# Altium PCB DI544.PcbDoc (part 5 of 7) (continued)
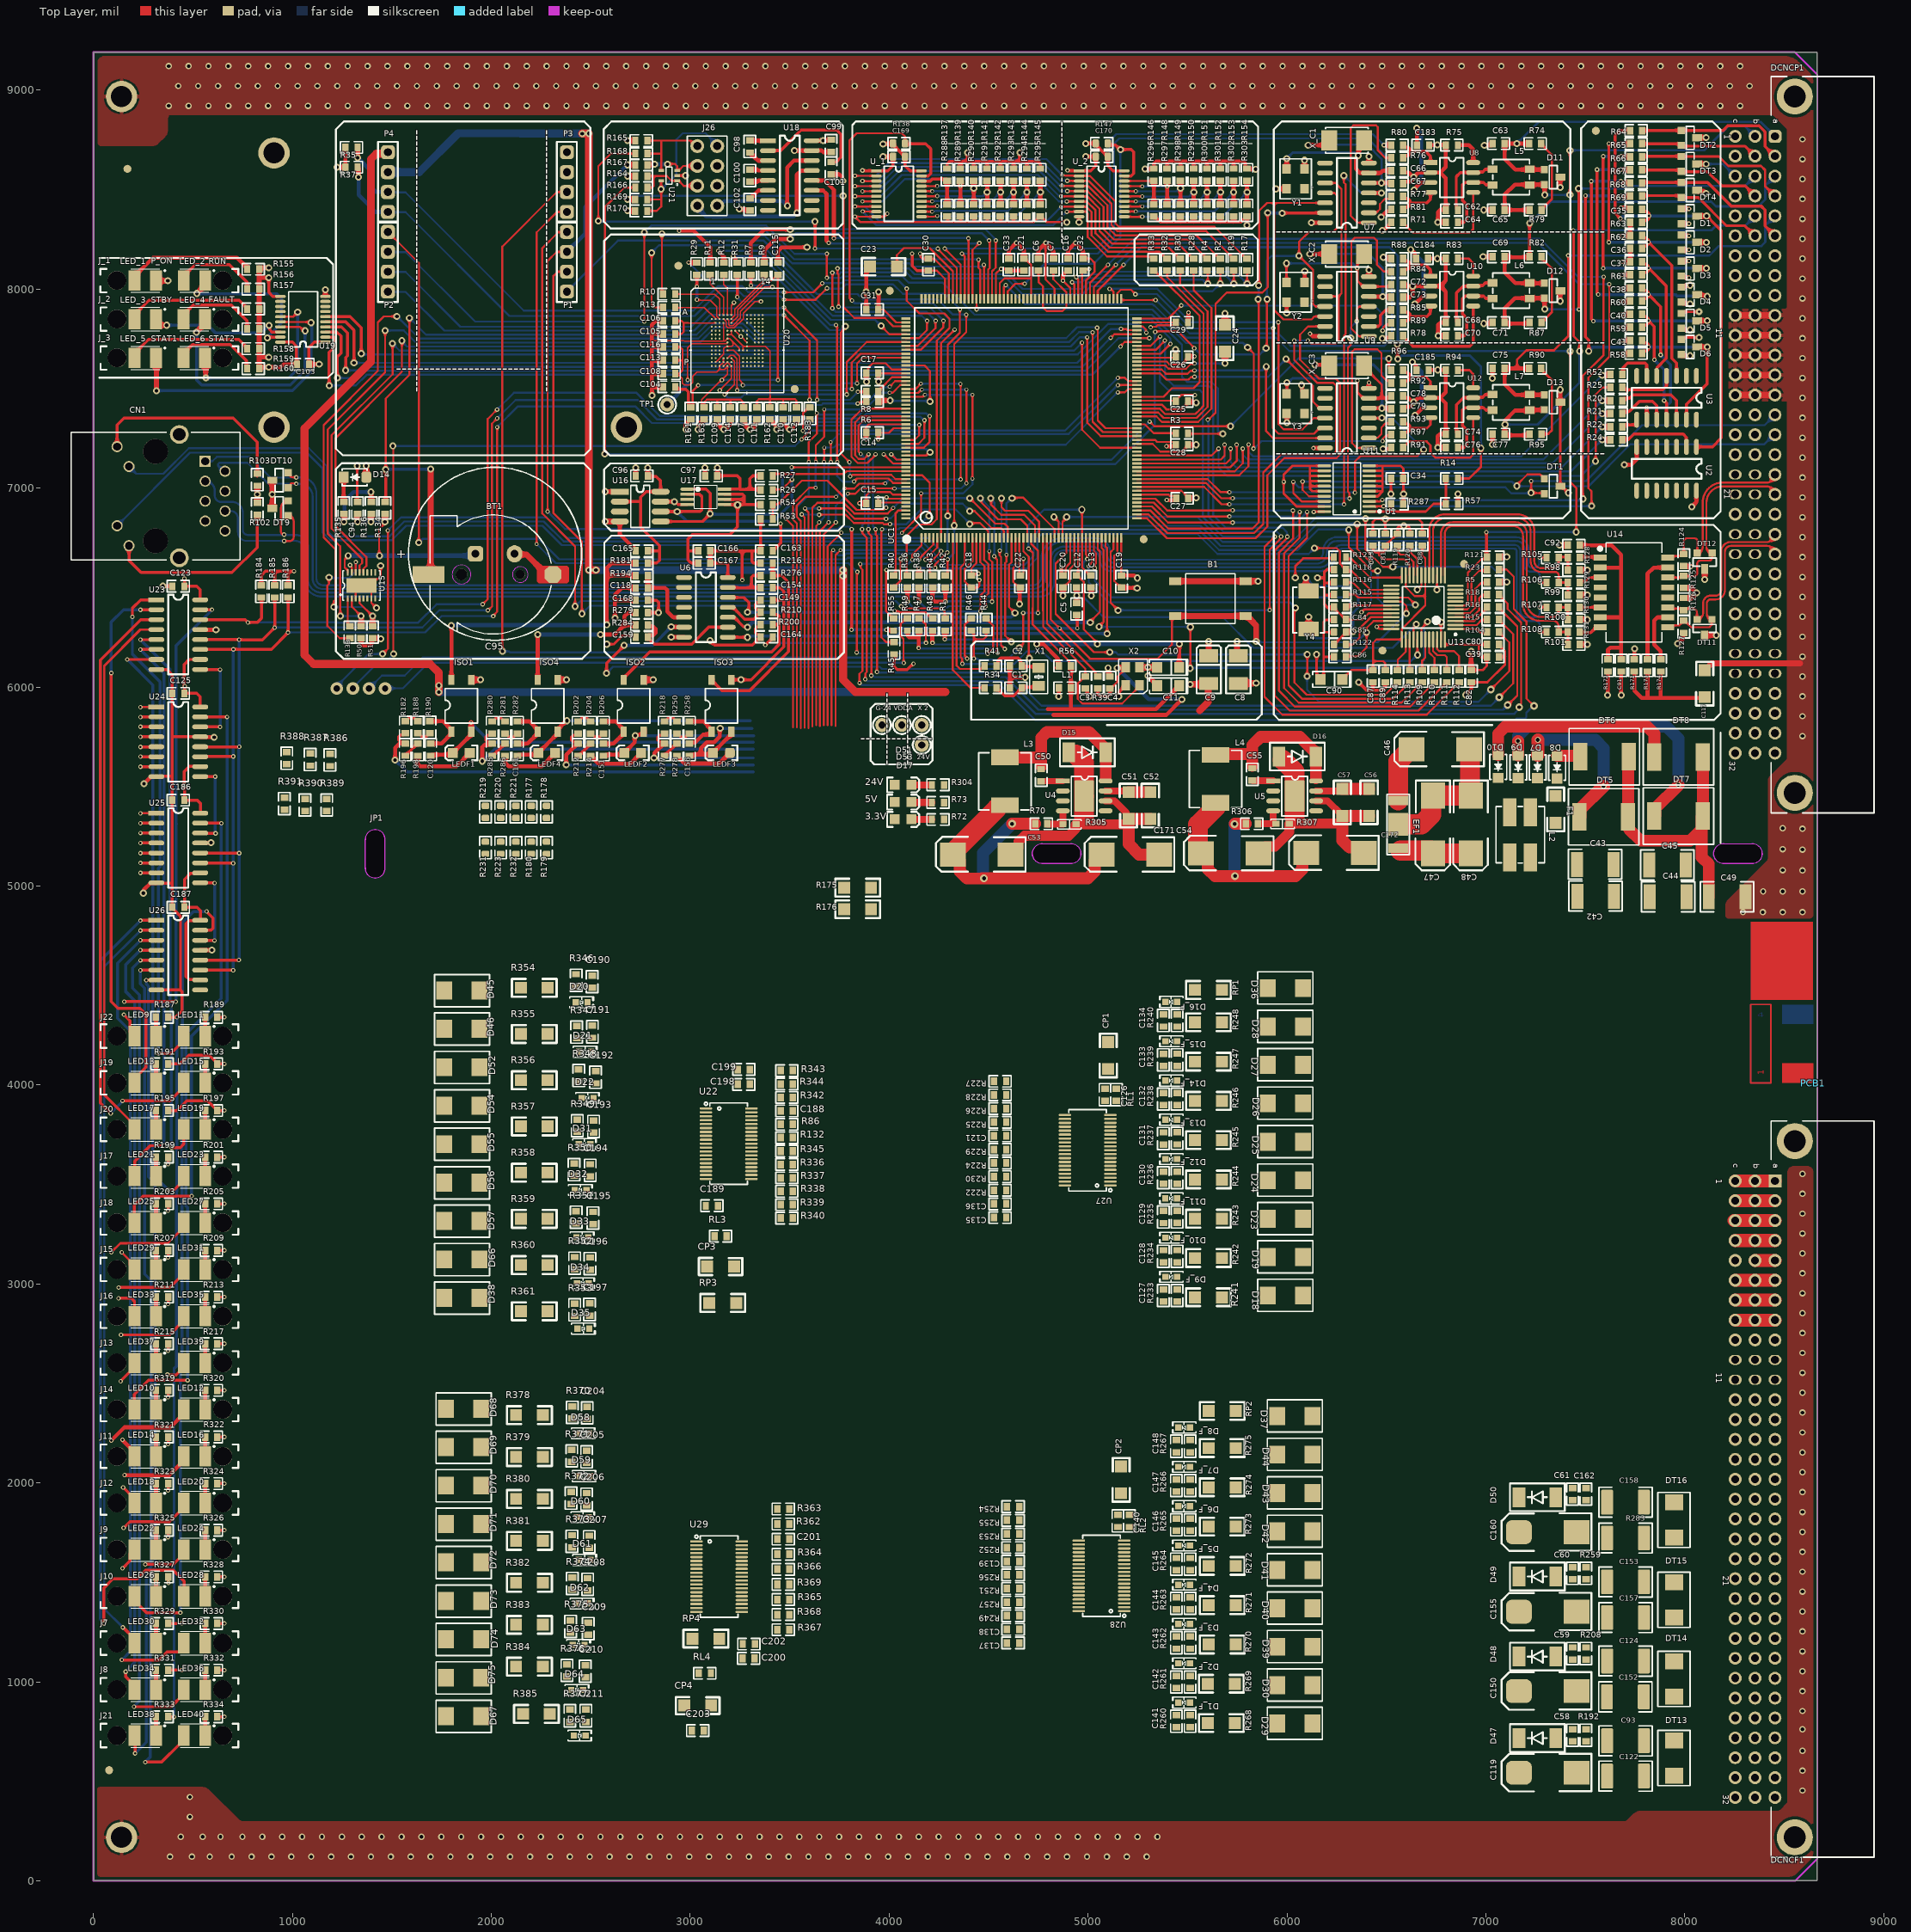
[diagram p0: Top Layer view]
## Nets (pads, with @x,y where several pads share a name; then routed paths per layer and width w, separated by ;. In a path a pad name is that pad's centre, name@x,y a point inside that pad or via, vN(x,y) a via of type N, cw(c..) or ccw(c..) an arc to the next point about the centre after c; other vN are vias at no path point) (continued)
  Top Layer w20: R167.2@2787.31,8626.97 v3@2822.83,8626.97
  Bottom Layer w10: v3@2822.83,8626.97 v3@2824.31,8628.45 ; v3@2885.35,8628.45 v3@2886.83,8629.92
  Bottom Layer w20: v3@2824.31,8628.45 v3@2885.35,8628.45
  other v3: 2820.87,8627.95 2886.83,8627.95
NetJ26_5: J26.5 R164.1 R166.2 U21.1 | length 357
  Top Layer w10: R166.2@2784.92,8510.35 2785.39,8510.83 2809.06,8510.83 2815.95,8517.72 2815.95,8568.8 ; R164.1@2784.92,8567.47 2786.25,8568.8 2815.95,8568.8 ; J26.5@3035.83,8519.69 2967.52,8519.69 2941.93,8545.28 U21.1@2935.04,8545.28 2906.5,8545.28 2882.98,8568.8 2815.95,8568.8
NetJ26_7: J26.7 U18.13 | length 811.3
  Top Layer w20: v3(3536.42,8382.87) 3536.42,8574.8 3558.13,8596.51 U18.13@3611.19,8596.51
  Bottom Layer w20: J26.7@3035.83,8419.69 3035.83,8409.06 3079.72,8365.16 3112.57,8365.16 3113.05,8364.69 3158.61,8364.69 3159.08,8365.16 3517.2,8365.16 3533.84,8381.79 v3@3535.33,8381.79
NetJ26_8: J26.8 U18.14 | length 704.8
  Top Layer w20: v3(3489.17,8419.29) 3487.2,8421.26 3487.2,8612.2 3521.51,8646.51 U18.14@3611.19,8646.51
  Bottom Layer w20: J26.8@3135.83,8419.69 3149.12,8419.69 3172.54,8443.11 3465.35,8443.11 v3(3489.17,8419.29)
NetLED9_K: LED9.K R187.1 | length 94.1
  Top Layer w20: LED9.K@314.58,4246.19 R187.1@314.58,4340.33
NetLED10_K: LED10.K R319.1 | length 95.9
  Top Layer w20: LED10.K@314.58,2369.19 R319.1@314.58,2465.08
NetLED11_K: LED11.K R189.1 | length 94.7
  Top Layer w20: R189.1@562.41,4340.52 562.61,4340.33 562.61,4246.19 LED11.K@562.8,4246
NetLED12_K: LED12.K R320.1 | length 96.4
  Top Layer w20: R320.1@562.41,2465.28 562.61,2465.08 562.61,2369.19 LED12.K@562.8,2369
NetLED13_K: LED13.K R191.1 | length 94.7
  Top Layer w20: LED13.K@314.58,4011.19 R191.1@314.58,4105.92
NetLED14_K: LED14.K R321.1 | length 96.5
  Top Layer w20: LED14.K@314.58,2134.19 R321.1@314.58,2230.68
NetLED15_K: LED15.K R193.1 | length 95.3
  Top Layer w20: R193.1@562.41,4106.11 562.61,4105.92 562.61,4011.19 LED15.K@562.8,4011
NetLED16_K: LED16.K R322.1 | length 97
  Top Layer w20: R322.1@562.41,2230.87 562.61,2230.68 562.61,2134.19 LED16.K@562.8,2134
NetLED17_K: LED17.K R195.1 | length 94.3
  Top Layer w20: LED17.K@314.58,3777.19 R195.1@314.58,3871.52
NetLED18_K: LED18.K R323.1 | length 97.1
  Top Layer w20: LED18.K@314.58,1899.19 R323.1@314.58,1996.27
NetLED19_K: LED19.K R197.1 | length 94.9
  Top Layer w20: R197.1@562.41,3871.71 562.61,3871.52 562.61,3777.19 LED19.K@562.8,3777
NetLED20_K: LED20.K R324.1 | length 97.6
  Top Layer w20: R324.1@562.41,1996.47 562.61,1996.27 562.61,1899.19 LED20.K@562.8,1899
NetLED21_K: LED21.K R199.1 | length 94.9
  Top Layer w20: LED21.K@314.58,3542.19 R199.1@314.58,3637.11
NetLED22_K: LED22.K R325.1 | length 96.7
  Top Layer w20: LED22.K@314.58,1665.19 R325.1@314.58,1761.87
NetLED23_K: LED23.K R201.1 | length 95.5
  Top Layer w20: R201.1@562.41,3637.3 562.61,3637.11 562.61,3542.19 LED23.K@562.8,3542
NetLED24_K: LED24.K R326.1 | length 97.2
  Top Layer w20: R326.1@562.41,1762.06 562.61,1761.87 562.61,1665.19 LED24.K@562.8,1665
NetLED25_K: LED25.K R203.1 | length 95.5
  Top Layer w20: LED25.K@314.58,3307.19 R203.1@314.58,3402.71
NetLED26_K: LED26.K R327.1 | length 89.3
  Top Layer w20: R327.1@314.58,1527.46 314.96,1527.08 LED26.K@314.96,1438.33
  other v1: 314.96,1497.05
NetLED27_K: LED27.K R205.1 | length 96.1
  Top Layer w20: R205.1@562.41,3402.9 562.61,3402.71 562.61,3307.19 LED27.K@562.8,3307
NetLED28_K: LED28.K R328.1 | length 97.8
  Top Layer w20: R328.1@562.41,1527.65 562.61,1527.46 562.61,1430.19 LED28.K@562.8,1430
NetLED29_K: LED29.K R207.1 | length 95.1
  Top Layer w20: LED29.K@314.58,3073.19 R207.1@314.58,3168.3
NetLED30_K: LED30.K R329.1 | length 97.9
  Top Layer w20: LED30.K@314.58,1195.19 R329.1@314.58,1293.06
NetLED31_K: LED31.K R209.1 | length 95.7
  Top Layer w20: R209.1@562.41,3168.49 562.61,3168.3 562.61,3073.19 LED31.K@562.8,3073
NetLED32_K: LED32.K R330.1 | length 98.4
  Top Layer w20: R330.1@562.41,1293.25 562.61,1293.06 562.61,1195.19 LED32.K@562.8,1195
NetLED33_K: LED33.K R211.1 | length 95.7
  Top Layer w20: LED33.K@314.58,2838.19 R211.1@314.58,2933.89
NetLED34_K: LED34.K R331.1 | length 97.5
  Top Layer w20: LED34.K@314.58,961.19 R331.1@314.58,1058.65
NetLED35_K: LED35.K R213.1 | length 96.2
  Top Layer w20: R213.1@562.41,2934.09 562.61,2933.89 562.61,2838.19 LED35.K@562.8,2838
NetLED36_K: LED36.K R332.1 | length 98
  Top Layer w20: R332.1@562.41,1058.84 562.61,1058.65 562.61,961.19 LED36.K@562.8,961
NetLED37_K: LED37.K R215.1 | length 96.3
  Top Layer w20: LED37.K@314.58,2603.19 R215.1@314.58,2699.49
NetLED38_K: LED38.K R333.1 | length 94.6
  Top Layer w20: R333.1@314.49,824.44 314.63,824.3 314.63,730.14 LED38.K@314.77,730
NetLED39_K: LED39.K R217.1 | length 96.8
  Top Layer w20: R217.1@562.41,2699.68 562.61,2699.49 562.61,2603.19 LED39.K@562.8,2603
NetLED40_K: LED40.K R334.1 | length 94.6
  Top Layer w20: R334.1@562.41,824.44 562.61,824.25 562.61,730.19 LED40.K@562.8,730
NetLED_1_A: LED_1.A R155.1 | length 648.9
  Top Layer w20: LED_1.A@206.84,8043.71 206.84,8065.37 299.47,8158 722.47,8158 763.29,8117.18 766.79,8117.18 772.79,8111.18 R155.1@772.79,8107.68
NetLED_2_A: LED_2.A R156.1 | length 429.5
  Top Layer w15: LED_2.A@453.44,8043.71 453.44,8065.37 512.08,8124 684,8124 772.79,8035.21 R156.1@772.79,8007.77
NetLED_2_K: LED_2.K U19.19 | length 814.5
  Top Layer w15: LED_2.K@561.71,8022.06 LED_2.K@561.71,8043.71 ; v3(873.79,7755) 879.2,7755 883.61,7759.41 U19.19@940,7759.41
  Top Layer w25: v3(520,7979) 520,7980.35 LED_2.K@561.71,8022.06
  Bottom Layer w15: v3(520,7979) 522,7977 923,7977 945,7955 945,7829 873.79,7757.79 v3(873.79,7755)
NetLED_3_A: LED_3.A R157.1 | length 637.6
  Top Layer w15: LED_3.A@206.84,7849.8 206.84,7871.45 279.39,7944 733.15,7944 772.79,7904.36 R157.1@772.79,7900.86
NetLED_3_K: LED_3.K U19.18 | length 697.1
  Top Layer w15: LED_3.K@315.11,7849.8 315.11,7841.03 LED_3.K@337.14,7819 ; v3@885,7818 885.96,7817.04 885.96,7797.04 897.86,7785.14 939.86,7785.14 U19.18@940,7785
  Top Layer w25: LED_3.K@337.14,7819 v3(368,7819)
  Bottom Layer w15: v3(368,7819) 575.12,7819 613.12,7781 845.87,7781 v3(882.87,7818)
NetLED_4_A: LED_4.A R158.1 | length 426.8
  Top Layer w15: LED_4.A@453.1,7849.8 453.1,7871.45 501.65,7920 693,7920 772.79,7840.21 R158.1@772.79,7807.95
NetLED_4_K: LED_4.K U19.17 | length 1242.3
  Top Layer w10: U19.17@940,7810.59 1037.64,7810.59 1057.24,7791 v3(1064,7791)
  Top Layer w15: v3(518,7783) v3@518,7784.78 ; LED_4.K@561.37,7828.15 LED_4.K@561.37,7849.8
  Top Layer w25: v3@518,7784.78 LED_4.K@561.37,7828.15
  Bottom Layer w15: v3(518,7783) 518,7544 544,7518 990,7518 1064,7592 v3(1064,7791)
NetLED_5_A: LED_5.A R159.2 | length 632.9
  Top Layer w15: LED_5.A@206.84,7654.96 206.84,7676.61 277.23,7747 730.32,7747 769.29,7708.04 R159.2@772.79,7708.04
NetLED_5_K: LED_5.K U19.16 | length 1390.1
  Top Layer w10: LED_5.K@315.11,7654.96 LED_5.K@317,7653.07 ; U19.16@940,7836.18 941.1,7835.08 1090.92,7835.08 v3(1094,7832)
  Top Layer w25: v3(317,7490) LED_5.K@317,7653.07
  Bottom Layer w15: v3(317,7490) 1001,7490 1094,7583 1094,7708.25 1099,7713.25 1099,7805.5 1097.83,7806.67 1097.83,7828.17 v3(1094,7832)
NetLED_6_A: LED_6.A R160.2 | length 424.3
  Top Layer w15: LED_6.A@453.1,7654.96 453.1,7676.61 498.49,7722 688,7722 768.67,7641.33 768.67,7612.24 R160.2@772.79,7608.13
NetLED_6_K: LED_6.K U19.15 | length 966.8
  Top Layer w10: U19.15@940,7861.77 940.61,7862.39 1005.04,7862.39 1026.57,7883.92 v3(1026.57,7884.84)
  Top Layer w15: LED_6.K@561.37,7654.96 LED_6.K@563,7653.33
  Top Layer w25: LED_6.K@563,7653.33 564.09,7652.24 564.09,7555.91 v3(566,7554)
  Bottom Layer w15: v3(566,7554) 567,7553 982,7553 1026.68,7597.68 1026.68,7816.36 1026.08,7816.95 1026.08,7884.35 v3(1026.57,7884.84)
NetLEDF1_A: LEDF1.A R198.1 | length 337.6
  Top Layer w20: R198.1@1631.53,5654.76 1627.99,5651.22 1627.99,5616.14 1641.77,5602.36 1825.24,5602.36 LEDF1.A@1892.13,5669.26
NetLEDF2_A: LEDF2.A R214.1 | length 294
  Top Layer w20: R214.1@2500.39,5654.76 2503.89,5654.76 2509.89,5648.76 2509.89,5645.26 2539.99,5615.16 2699.47,5615.16 LEDF2.A@2753.57,5669.26
NetLEDF3_A: LEDF3.A R278.1 | length 306.1
  Top Layer w20: R278.1@2933.62,5654.76 2937.12,5654.76 2943.12,5648.76 2943.12,5645.26 2972.24,5616.14 3146.6,5616.14 LEDF3.A@3199.72,5669.26
NetLEDF4_A: LEDF4.A R286.1 | length 321.7
  Top Layer w20: R286.1@2068.51,5654.76 2069.53,5653.74 2069.53,5620.48 2087.64,5602.36 2254.41,5602.36 LEDF4.A@2321.31,5669.26
NetP1_1: P1.1 R1.2 | length 3953.1
  Top Layer w10: P1.1@2380.42,8288 2378.5,8286.08 2336.28,8286.08 2256.89,8206.69 2256.89,6872.05 2421.26,6707.68 v3(2421.26,6405.51) ; v1(4060.5,6406) 4062.14,6406 4072.36,6395.78 4263.22,6395.78 4279.85,6379.15 R1.2@4279.85,6344.78
  Bottom Layer w10: v3(2421.26,6405.51) 2448.75,6433 4033.5,6433 v1(4060.5,6406)
NetP1_3: P1.3 R48.1 | length 3636.8
  Top Layer w10: P1.3@2380.42,8088 2334.06,8088 2312.99,8066.93 2312.99,6874.02 2455.71,6731.3 v3(2455.71,6369.09) ; v1(4028,6383) 4030.3,6380.7 4049.03,6380.7 4053.95,6375.78 4184.59,6375.78 4215.59,6344.78 R48.1@4216.14,6344.78
  Bottom Layer w10: v3(2455.71,6369.09) 2495.75,6409.13 4001.87,6409.13 v1(4028,6383)
NetP1_4: P1.4 R42.1 | length 3618.9
  Top Layer w10: R42.1@4294.35,6561 4294.35,6642.63 v1(4294.5,6642.78) ; v3(4327.76,6812.01) 4327.76,7723.43 4388.36,7784.03 v1(4388.36,7872.46)
  Bottom Layer w10: P1.4@2380.42,7988 2636.42,8244 3370,8244 3638.61,7975.39 3841.61,7975.39 3867.87,7949.13 4243.87,7949.13 4320.72,7872.28 4388.19,7872.28 v1(4388.36,7872.46) ; v1(4294.5,6642.78) 4295.35,6642.78 4327.76,6675.18 v3(4327.76,6812.01)
NetP2_1: P2.1 R40.2 | length 4264.7
  Top Layer w10: P2.1@1480.42,8288 1635.83,8132.59 v3(1635.83,6726.38) ; R40.2@4023.02,6500 4057.09,6534.06 4057.09,6643.59 v1(4059,6645.5)
  Bottom Layer w10: v3(1635.83,6726.38) 1636.07,6726.38 1654.18,6744.49 2238.78,6744.49 2341.27,6642 3784,6642 3792,6650 4026.09,6650 4030.58,6645.5 v1(4059,6645.5)
NetP2_2: P2.2 R3.2 | length 5713.2
  Top Layer w10: v1(2769.69,7837.6) v3(2769.69,8285.43) ; v1(3687.01,8056.92) v1(3687.01,8178) ; R3.2@5503,7276 5505.38,7273.62 v3(5678.15,7273.62)
  Bottom Layer w10: P2.2@1480.42,8188 1481.9,8186.52 1569.48,8186.52 1919,7837 v1@2769.69,7837 ; v3(2769.69,8285.43) 2803.94,8319.69 3381.96,8319.69 3524.48,8177.17 3686.17,8177.17 v1(3687.01,8178) ; v1(3687.01,8056.92) 3758.2,8056.92 3765.79,8064.51 4066.78,8064.51 4098.28,8033 4269.43,8033 4420.86,7881.57 4420.86,7881.48 4430.29,7872.05 5321.85,7872.05 5472.87,7721.03 5472.87,7559.13 5498.22,7533.78 5621.22,7533.78 5653.54,7501.46 5653.54,7286.69 5661.83,7278.41 5673.37,7278.41 v3(5678.15,7273.62)
NetP2_3: P2.3 R8.1 | length 2945.9
  Top Layer w10: v1@3474.41,7908.46 3474.41,7905.37 3637.8,7741.98 v1(3637.8,7443.9) ; v1(3843.5,7484.25) 3883.68,7484.25 R8.1@3885.43,7486
  Bottom Layer w10: P2.3@1480.42,8088 1481.9,8086.52 1569.48,8086.52 1844.4,7811.6 3005.5,7811.6 3097.8,7903.91 3469.85,7903.91 v1@3474.41,7908.46 ; v1(3637.8,7443.9) 3803.15,7443.9 v1(3843.5,7484.25)
  other v1: 3471.31,7908.46
NetP2_4: P2.4 R6.1 | length 2888.6
  Top Layer w10: v1@3473.4,7869.98 3473.4,7867.89 3600.43,7740.86 v1@3600.43,7441 ; v1(3842.48,7425.21) 3846.2,7425.21 3853.98,7433 R6.1@3885.43,7433
  Bottom Layer w10: P2.4@1480.42,7988 1481.9,7986.52 1569.48,7986.52 1764.4,7791.6 3020.6,7791.6 3100.06,7871.06 v1@3472.31,7871.06 ; v1@3600.43,7441 3603.39,7441 3626.49,7417.9 3660.62,7417.9 3667.93,7425.21 v1(3842.48,7425.21)
  other v1: 3600.43,7443.95 3471.31,7869.98
NetP3_1: P3.1 R44.1 | length 4702.3
  Top Layer w10: v4(2228.35,6719.49) 2228.35,8285.43 2331.39,8388.48 P3.1@2380.42,8388.48 ; v1(3837.19,6174.21) 3838.34,6175.37 3838.34,6576.84 v1(3840.5,6579) ; R44.1@4488.08,6344.78 4523.35,6309.51 4523.35,6196.35 4496,6169 v1(4496,6167.28)
  Bottom Layer w10: v4(2228.35,6719.49) 2324.83,6623 3795.5,6623 3839.5,6579 v1(3840.5,6579) ; v1(3837.19,6174.21) 3839.49,6171.92 3846.63,6171.92 3849.55,6169 4494.28,6169 v1(4496,6167.28)
NetP3_2: P3.2 R47.1 | length 4762.3
  Top Layer w10: v3(2057.09,6180.5) 2055.85,6181.74 2055.85,8214.31 2330.02,8488.48 P3.2@2380.42,8488.48 ; R47.1@4152.42,6344.78 4155.92,6344.78 4184.64,6316.07 4184.64,6223.83 v1(4186.02,6222.44)
  Bottom Layer w10: v3(2057.09,6180.5) 2058.37,6179.21 2089.59,6179.21 2094.59,6174.21 3400.21,6174.21 3448.44,6222.44 v1(4186.02,6222.44)
NetP4_1: P4.1 R37.2 R38.1 | length 5047.1
  Top Layer w10: v1(3471.31,7947) 3630.07,7947 v1(3687.99,8004.92) ; v1(4231.62,6598.74) 4231.62,6616.66 4292,6677.05 v1@4292,6677.19 ; v3(4295.26,6860.24) 4295.26,7720.45 4355.86,7781.05 4355.86,7898.18 v1(4356.3,7898.62)
  Top Layer w20: R37.2@1328.27,8612.89 R37.2@1332.82,8608.33 ; v1(4149.61,6599.41) 4149.61,6598.87 4150.45,6598.02 R38.1@4150.45,6561
  Top Layer w25: v3(1332.82,8563.75) R37.2@1332.82,8608.33
  Bottom Layer w10: P4.1@1480.42,8388.48 1481.9,8387 1569.48,8387 2091.32,7865.16 3022.64,7865.16 3148.62,7991.14 3242.82,7991.14 3269.4,7964.57 3454.43,7964.57 v1@3472,7947 ; v1(3687.99,8004.92) 3689.91,8003 3760.87,8003 3782.38,8024.51 4020.77,8024.51 4068.9,7976.38 4279.53,7976.38 4356.3,7899.61 v1(4356.3,7898.62) ; v1(4149.61,6599.41) 4149.94,6599.08 4231.28,6599.08 v1(4231.62,6598.74) ; v1@4292,6677.19 4294.13,6679.32 4294.13,6859.11 v3(4295.26,6860.24)
  Bottom Layer w20: v3(1332.82,8563.75) 1332.82,8473.18 1417.52,8388.48 P4.1@1480.42,8388.48
  other v1: 4292.98,6677.19
NetP4_2: P4.2 R35.2 R36.1 | length 5015.8
  Top Layer w10: R35.2@1328.27,8712.48 R35.2@1328.88,8711.87 ; v1(3471.31,7984.46) 3619.3,7984.46 v1(3664.37,8029.53) ; v1(4088.58,8002.95) 4088.58,7942.42 4153.05,7877.95 4277.56,7877.95 4303.86,7851.65 4303.86,7804.84 4240.16,7741.14 4240.16,6844.16 4213,6817 4145,6817 4088.71,6760.71 R36.1@4088.71,6561
  Top Layer w25: v3(1328.88,8661.19) R35.2@1328.88,8711.87
  Bottom Layer w10: P4.2@1480.42,8488.48 1481.9,8487 1569.48,8487 2163.76,7892.72 3016.73,7892.72 3139.02,8015 3261.58,8015 3291.17,7985.41 3470.36,7985.41 v1(3471.31,7984.46) ; v1(3664.37,8029.53) 3665.76,8030.92 3760.48,8030.92 3774.07,8044.51 4047.03,8044.51 4068.64,8022.89 v1(4088.58,8002.95)
  Bottom Layer w20: v3(1328.88,8661.19) 1399,8591.08 1399,8510 1421,8488 1479.94,8488 P4.2@1480.42,8488.48
NetR1_1: R1.1 UC1.35 | length 1459.9
  Top Layer w10: v11(4590,6665) 4590,6630.28 4583.35,6623.63 4583.35,6259.17 v3(4615.16,6227.36) ; v3@4618.11,6951.77 4674.88,6951.77 4832.2,6794.46 ; UC1.35@4832.51,6750.34 4832.51,6794.46
  Top Layer w20: v1(4279.53,6240.32) 4279.91,6240.7 R1.1@4279.91,6283.72
  Bottom Layer w10: v1(4279.53,6240.32) 4280.97,6238.87 4596.88,6238.87 4608.39,6227.36 v3(4615.16,6227.36) ; v11(4590,6665) 4590.5,6665.5 4590.5,6924.16 v3@4618.11,6951.77
  other v3: 4618.11,6949.8
NetR2_2: R2.2 UC1.164 | length 3065.4
  Top Layer w10: v1(3715,8082.92) 3715.34,8082.58 v1@3715.34,7903.12 ; UC1.164@4084.48,7714.91 4144.04,7714.91 4232.96,7803.83 4232.96,7839.96 v1(4234,7841) ; v3(5665,8028) 5665,8092.21 R2.2@5665.5,8092.7
  Bottom Layer w10: v1(3715,8082.92) 3717.3,8080.63 3719.41,8078.51 3751.5,8078.51 3757.5,8084.51 4086.4,8084.51 4115.79,8055.12 4589.57,8055.12 4669.69,7975 4974.02,7975 5014.39,8015.38 5084.91,8015.38 5097.5,8027.97 5427.03,8027.97 5465.83,7989.17 5626.17,7989.17 v3(5665,8028) ; v1@3715.73,7902.73 3715.73,7902.62 3732.36,7886 4189,7886 v1(4234,7841)
  other v1: 3714.75,7903.72
NetR3_1: R3.1 UC1.77 | length 214.8
  Top Layer w10: UC1.77@5245.9,7321.21 5286.16,7321.21 5331.36,7276 R3.1@5442,7276
NetR4_2: R4.2 UC1.165 | length 3016.3
  Top Layer w10: v1(3740.73,8104.51) 3741.12,8104.12 3741.12,8078.51 3746.12,8073.51 3746.12,7912.47 v1(3745.66,7912) ; UC1.165@4084.48,7695.22 4158.81,7695.22 4273,7809.42 v1(4273,7841) ; R4.2@5598.61,8092.7 5602,8089.31 v3(5602,8028)
  Bottom Layer w10: v1(3740.73,8104.51) 4099.49,8104.51 4128.88,8075.12 4597.85,8075.12 4671.1,8001.87 4969.39,8001.87 5002.9,8035.38 5076.62,8035.38 5089.21,8047.97 5576.01,8047.97 5595.98,8028 v3(5602,8028) ; v1(3745.66,7912) 3747.71,7909.94 3759.06,7909.94 3760.09,7908.91 4205.09,7908.91 v1(4273,7841)
NetR5_1: R5.1 UC1.37 | length 2697.4
  Top Layer w10: UC1.37@4871.88,6750.34 4871.88,6830.19 4892.72,6851.02 v3(4892.72,6855.32) ; v3@6395.67,6848.43 6394.69,6847.44 6394.69,6692.63 6482.99,6604.33 v3(6532.48,6604.33)
  Top Layer w25: R5.1@7066.27,6528.52 v3(7105.32,6528.54)
  Bottom Layer w10: v3(4892.72,6855.32) 5549.97,6855.32 5675.64,6729.65 6024.92,6729.65 6150.59,6855.32 6377.31,6855.32 6379.42,6853.21 6390.89,6853.21 v3@6395.67,6848.43 ; v3(6532.48,6604.33) 7029.53,6604.33 v3(7105.32,6528.54)
  other v3: 6395.67,6847.44
NetR5_2: R5.2 U13.5 | length 277.1
  Top Layer w10: U13.5@6847.23,6371.11 6919.33,6371.11 6947.45,6399.23 6947.45,6494.7 6976.27,6523.52 R5.2@7005.27,6523.52
NetR6_2: R6.2 UC1.169 | length 551.9
  Top Layer w10: UC1.169@4084.48,7616.48 4177.81,7616.48 4205.71,7588.58 v3(4205.71,7435.04)
  Top Layer w20: R6.2@3946.43,7433 3946.43,7434.95 R6.2@3952.43,7440.95
  Top Layer w25: R6.2@3952.43,7440.95 v3@4004.38,7440.95
  Bottom Layer w10: v3(4004.92,7440.95) 4007.22,7438.65 4202.1,7438.65 v3(4205.71,7435.04)
NetR7_1: R7.1 UC1.138 | length 1686.5
  Top Layer w10: UC1.138@4517.55,7951.13 4517.55,8089.55 4536.42,8108.42 v1(4536.42,8244.97) v1@4536.42,8246.06
  Top Layer w20: R7.1@3305,8133.4 3305,8232.17 3373.03,8300.2 v3(3502.95,8300.2)
  Bottom Layer w10: v3(3502.95,8300.2) 3504.61,8301.85 4483.92,8301.85 v1@4536.99,8248.78 ; v1@4536.42,8246.06 v1@4536.42,8248.21
NetR7_2: R7.2 U20.B5 | length 517.2
  Top Layer w5.91: U20.B5@3187.29,7850.39 3187.29,7849.28 3193.11,7843.46 3193.11,7822.76 3199,7816.87 3214.81,7816.87 3252.69,7854.75 ; 3251.91,7855.52 3252.69,7856.3 3252.69,7888.19 3375.9,8011.41 v1(3413.39,8011.41)
  Top Layer w15: R7.2@3305,8072.4 3305.34,8072.07 3305.34,8019.02 v1(3305.68,8018.68)
  Bottom Layer w10: v1(3305.68,8018.68) 3402.87,8018.68 3410.14,8011.41 v1(3413.39,8011.41)
NetR8_2: R8.2 UC1.172 | length 169.7
  Top Layer w10: R8.2@3946.43,7486 3946.43,7489.5 3957.43,7500.5 4014.36,7557.43 UC1.172@4084.48,7557.43
NetR9_1: R9.1 UC1.139 | length 1544
  Top Layer w10: UC1.139@4497.87,7951.13 4497.87,8098.15 4505.88,8106.16 4505.88,8244.12 v1@4504,8246
  Top Layer w20: R9.1@3373,8133.4 3373,8197.8 3427.17,8251.97 v3(3502.95,8251.97)
  Bottom Layer w10: v3(3502.95,8251.97) 3532.83,8281.85 4466.13,8281.85 4501.98,8246 v1@4504,8246
  other v1: 4503.02,8244.97
NetR9_2: R9.2 U20.B6 | length 290.7
  Top Layer w5.91: U20.B6@3206.97,7850.39 3225.16,7868.58 3225.16,7899.87 3350.11,8024.81 3373,8047.7 R9.2@3373,8072.4
NetR10_1: R10.1 UC1.140 | length 2159.3
  Top Layer w10: v3@2858,8269 2858,7981.42 R10.1@2864,7975.42 ; UC1.140@4478.18,7951.13 v1@4478.18,8123.41
  Bottom Layer w10: v3(2858,8278.84) 2864.76,8278.84 2875.92,8267.69 3376.02,8267.69 3513.19,8130.51 4101.77,8130.51 4118.28,8114 4465.48,8114 4473.91,8122.42 v1(4477.15,8122.42)
NetR10_2: R10.2 U20.A3 | length 313.4
  Top Layer w5.91: R10.2@2925,7975.42 3122.61,7975.39 3147.92,7950.08 U20.A3@3147.92,7870.08
NetR11_1: R11.1 UC1.141 | length 2037.5
  Top Layer w10: v1(4450,8148.21) 4450,8107.09 4458.5,8098.59 UC1.141@4458.5,7951.13
  Top Layer w20: v1(2944.1,8293.69) 2944.48,8294.07 2985.03,8294.07 2985.68,8294.72 3017.28,8294.72 3101,8211 R11.1@3101,8133.4
  Bottom Layer w10: v1(2944.1,8293.69) 2945.42,8295 3378,8295 3522.49,8150.51 4447.7,8150.51 v1(4450,8148.21)
NetR11_2: R11.2 U20.A4 | length 229.9
  Top Layer w5.91: R11.2@3101,8072.4 3101,8026 3167.6,7959.4 U20.A4@3167.6,7870.08
NetR12_1: R12.1 UC1.161 | length 1188.2
  Top Layer w10: v3(3959.65,7815.95) 4001.63,7773.96 UC1.161@4084.48,7773.96
  Top Layer w20: v1(3141,8193) 3169,8165 R12.1@3169,8133.4
  Bottom Layer w10: v1(3141,8193) 3360.41,8193 3707.41,7846 3929.59,7846 v3(3959.65,7815.95)
NetR12_2: R12.2 U20.A5 | length 209.9
  Top Layer w5.91: R12.2@3169,8072.4 3169,8023.54 3187.29,8005.25 3187.29,7960.66 U20.A5@3187.29,7870.08
NetR13_1: R13.1 UC1.162 | length 2050.2
  Top Layer w10: v3(2806,8183) 2806,7922.35 2819.55,7908.79 R13.1@2864,7908.79 ; UC1.162@4084.53,7754.23 4149.9,7754.23 4190.94,7795.28 v1@4190.94,7839.57
  Bottom Layer w10: v3(2806,8183) 2843.47,8220.47 3361.22,8220.47 3715.69,7866 4164.51,7866 v1@4190.94,7839.57
  other v1: 4190.94,7841
NetR13_2: R13.2 U20.B2 | length 226.7
  Top Layer w5.91: R13.2@2925,7907 3071.62,7907 U20.B2@3128.23,7850.39
NetR14_1: R14.1 R57.2 R287.2 U1.1 | length 564.9
  Top Layer w12: U1.1@6414.06,6882.27 6698.21,6882.27 6737.2,6921.26 R57.2@6799,6921.26 ; 6524,6882.87 R287.2@6524,6920.36 ; R57.2@6799,6922.05 R14.1@6799,7048.38
NetR14_2: R14.2 UC1.111 | length 3268.1
  Top Layer w11: UC1.111@5049.14,7951.22 5049.14,7991.91 5179.13,8121.9 v1(5179.13,8122.05)
  Top Layer w12: v3(6555.12,7722.23) 6555.12,7652.56 v3(6558.07,7649.61) ; R14.2@6860,7048.38 6916.49,7048.38 6975.39,7107.28 v3(6975.39,7200.79)
  Bottom Layer w12: v1(5179.13,8122.05) 5267.72,8210.63 6515.75,8210.63 6558.07,8168.31 v3@6558.07,7722.23 ; v3@6559.06,7649.61 6559.21,7649.61 6576.6,7667 6919.61,7667 6975.39,7611.22 v3(6975.39,7200.79)
NetR15_1: R15.1 UC1.180 | length 5413.8
  Top Layer w10: v1(3932.37,6793.92) 3932.99,6793.3 3932.99,6766.5 3939.23,6760.27 v1(3939.23,6076.24) ; v1@3936.15,7170.87 3891.59,7126.31 3842.19,7126.31 3811.13,7157.38 3811.13,7345.13 3865.95,7399.95 UC1.180@4084.48,7399.95 ; R15.1@7066.1,6337.75 7137.83,6266.02 7137.83,6018.94 v6(7067.72,5948.82)
  Bottom Layer w10: v1(3932.37,6793.92) 3919,6807.3 3919,7153.88 v1@3935.4,7170.28 ; v1(3939.23,6076.24) 3942.95,6072.52 4600.71,6072.52 4767.23,5906 7024.9,5906 v6(7067.72,5948.82)
  other v1: 3932.15,7170.28
NetR15_2: R15.2 U13.2 | length 168.6
  Top Layer w10: U13.2@6847.23,6312.05 6953.78,6312.05 6979.31,6337.58 R15.2@7005.27,6337.58
NetR16_1: R16.1 UC1.182 | length 5450
  Top Layer w10: v1(3896.54,6793.92) 3896.54,6774.72 3911.86,6759.4 3911.86,6059.62 v1(3909.95,6057.71) ; v1(3896.65,7170.28) 3896.65,7168.71 3874.94,7147 3846.95,7147 3829,7164.95 3829,7331 3858.58,7360.58 UC1.182@4084.48,7360.58 ; R16.1@7078.34,6385.06 7157.83,6305.56 7157.83,5957.44 v6(7109.84,5909.45)
  Bottom Layer w10: v1(3896.65,7170.28) 3896,7169.62 3896,6800.71 3899.54,6797.17 v1@3899.54,6793.92 ; v1(3909.95,6057.71) 3912.24,6055.42 3922.93,6055.42 3928.11,6050.24 4586.57,6050.24 4750.81,5886 7086.39,5886 v6(7109.84,5909.45)
NetR16_2: R16.2 U13.3 | length 188.2
  Top Layer w10: U13.3@6847.23,6331.74 6940.95,6331.74 7005.27,6396.06 R16.2@7005.27,6399.56
NetR17_2: R17.2 UC1.116 | length 1073.1
  Top Layer w10: v1(4940.74,8060.82) 4940.74,8057.58 4950.62,8047.7 UC1.116@4950.62,7951.13 ; R17.2@5799.28,8092.7 5800,8091.98 v3@5800,8029
  Bottom Layer w10: v1(4940.74,8060.82) 4940.89,8060.97 4966.74,8060.97 4981.15,8075.38 5060.06,8075.38 5072.65,8087.97 5740.03,8087.97 v3(5800,8028)
NetR18_1: R18.1 UC1.183 | length 5547.4
  Top Layer w10: v4(3857.31,7172) 3857.31,7172.43 3846.87,7182.86 3846.87,7315.87 3871.89,7340.89 UC1.183@4084.48,7340.89 ; v1@3865.16,6793.92 3865.16,6773.62 3888,6750.78 3888,6076 3880.91,6068.91 v1@3880.91,6041.74 ; R18.1@7066.27,6465.71 7066.27,6462.21 7109.25,6419.23 7109.25,6392.72 7177.83,6324.13 7177.83,5916.41 7168,5906.58 v6(7168,5899)
  Bottom Layer w10: v4(3857.31,7172) 3878,7151.31 3878,6827 3865.16,6814.16 v1@3865.16,6793.92 ; v1(3880.66,6039.19) 3889.62,6030.24 4572.13,6030.24 4736.36,5866 7112.97,5866 7113.06,5866.1 7143.58,5866.1 7150.65,5873.17 7150.65,5874.07 7168,5891.42 v6(7168,5899)
  other v1: 3864.16,6793.92
NetR18_2: R18.2 U13.4 | length 239.4
  Top Layer w10: U13.4@6847.23,6351.42 6931.14,6351.42 6966.54,6386.81 6966.54,6447.83 6980.13,6461.43 7005.16,6461.43 R18.2@7005.27,6461.54
NetR19_2: R19.2 UC1.117 | length 996.2
  Top Layer w10: v1(4920.18,8034.82) 4920.18,8034.72 4930.94,8023.96 UC1.117@4930.94,7951.13 ; R19.2@5732.39,8092.7 5733,8092.09 v3(5733,8028)
  Bottom Layer w10: v1(4920.18,8034.82) 4968.88,8034.82 4989.43,8055.38 5068.34,8055.38 5080.93,8067.97 5693.03,8067.97 v3(5733,8028)
NetR20_1: R20.1 UC1.65 | length 2638.2
  Top Layer w10: UC1.65@5245.9,7084.99 5246.39,7084.49 5737.49,7084.49 5778.08,7125.08 v1@5778.08,7198.87
  Top Layer w25: v3@7580,7440 R20.1@7626,7439.98
  Bottom Layer w10: v1@5778.08,7198.87 5778.08,7168.92 5802.31,7144.69 7289.69,7144.69 v3(7585,7440)
  other v1: 5778.08,7198.84
NetR21_1: R21.1 UC1.66 | length 2656.2
  Top Layer w10: UC1.66@5245.9,7104.67 5714.67,7104.67 5747.68,7137.68 v1@5747.68,7218.53 ; v3@7584,7374 v3(7585,7374) ; R21.1@7625.88,7374 R21.1@7626,7374.12
  Top Layer w25: v3(7585,7374) R21.1@7625.88,7374
  Bottom Layer w10: v1@5747.68,7218.53 5747.68,7151.32 5774.31,7124.69 7334.69,7124.69 v3@7584,7374
  other v1: 5747.68,7218.55
NetR22_1: R22.1 UC1.67 | length 2603.8
  Top Layer w10: UC1.67@5245.9,7124.36 5694.36,7124.36 5717.27,7147.27 v1(5717.27,7198.84) ; R22.1@7625.73,7308 R22.1@7626,7308.27
  Top Layer w25: v3(7585,7308) R22.1@7625.73,7308
  Bottom Layer w10: v1(5717.27,7198.84) 5717.27,7131.73 5744.31,7104.69 7381.69,7104.69 v3(7585,7308)
NetR23_1: R23.1 U13.6 | length 317.1
  Top Layer w10: U13.6@6847.23,6390.79 6906.54,6390.79 6928.15,6412.4 6928.15,6546.26 6967.39,6585.5 R23.1@7005.27,6585.5
NetR23_2: R23.2 UC1.1 | length 5301.9
  Top Layer w10: v1(3851.38,6020.67) 3851.38,6066.38 3866.5,6081.5 3866.5,6589.77 3857.3,6598.97 3857.3,6616.7 v1(3855,6619) ; v1(4117.13,6639.76) 4117.13,6666.13 4163.22,6712.22 UC1.1@4163.22,6750.34 ; R23.2@7066.27,6591.34 7104.53,6591.34 7140.75,6555.12 7140.75,6392.72 7204,6329.47 7204,5943 v6(7242,5905)
  Bottom Layer w10: v1(3851.38,6020.67) 3852.8,6020.67 3863.24,6010.24 4558.66,6010.24 4734.9,5834 7146.43,5834 7154.43,5842 7197.59,5842 7203.72,5848.13 7203.72,5870.72 7238,5905 v6(7242,5905) ; v1(3855,6619) 3855.5,6619.5 4096.87,6619.5 v1(4117.13,6639.76)
NetR24_1: R24.1 UC1.68 | length 2627.2
  Top Layer w10: UC1.68@5245.9,7144.04 5668.04,7144.04 5686.87,7162.87 v1@5686.87,7218.53 ; R24.1@7625.42,7243 R24.1@7625.87,7242.55
  Top Layer w25: v3(7585,7243) R24.1@7625.42,7243
  Bottom Layer w10: v1@5686.87,7218.53 5686.87,7113.13 5716.34,7083.66 7425.66,7083.66 v3(7585,7243)
  other v1: 5686.87,7218.55
NetR25_1: R25.1 UC1.69 | length 2887.7
  Top Layer w10: UC1.69@5245.9,7163.73 5621.35,7163.73 v1(5656.46,7198.84) ; v3(7552.17,7135.83) 7552.17,7471.17 7587,7506 7625.83,7506 R25.1@7626,7505.83
  Bottom Layer w10: v1(5656.46,7198.84) 5656.46,7103.54 5698.16,7061.84 7478.18,7061.84 v3(7552.17,7135.83)
NetR28_2: R28.2 UC1.79 | length 1144.7
  Top Layer w10: UC1.79@5245.9,7360.58 5344.15,7360.58 5371.72,7333 5554.2,7333 5621,7399.8 5621,7905.58 5531,7995.58 5531,8091.99 R28.2@5531.72,8092.7
NetR29_1: R29.1 U20.B3 | length 305.7
  Top Layer w5.91: v1@3031.47,7947.53 3034,7945 3101,7945 3134.06,7911.94 3134.06,7864.34 U20.B3@3145,7853.4 ; R29.1@3033,8072.4 R29.1@3034,8071.4
  Top Layer w15: v1(3034,8013) R29.1@3034,8071.4
  Bottom Layer w15: v1(3034,7947.53) v1(3034,8013)
NetR29_2: R29.2 UC1.198 | length 2056.6
  Top Layer w10: R29.2@3029.32,8137.08 R29.2@3033,8133.4 ; v3(3781.5,7812.99) 3781.5,7807.16 3758,7783.66 3758,7173.66 v1@3800.85,7130.81 ; v1(3804,7058.99) 3807.25,7058.99 3815.37,7067.12 4010.88,7067.12 4032.38,7045.62 UC1.198@4084.48,7045.62
  Top Layer w20: v1(2992,8134) 3026.24,8134 R29.2@3029.32,8137.08
  Bottom Layer w10: v1(2992,8134) 3078.76,8047.24 3447.76,8047.24 3701,7794 3755.74,7794 3774.73,7812.99 v3(3781.5,7812.99) ; v1@3800.85,7129.82 3802.43,7128.25 3802.43,7060.56 v1(3804,7058.99)
  other v1: 3800.85,7130.67
NetR30_2: R30.2 UC1.80 | length 1131.7
  Top Layer w10: UC1.80@5245.9,7380.26 5353,7380.26 5380.27,7353 5545.91,7353 5601,7408.09 5601,7888.4 5463,8026.4 5463,8090.88 R30.2@5464.83,8092.7